# Allegro board Coral-Dev-Board-baseboard-layout-Allegro.brd (continued)
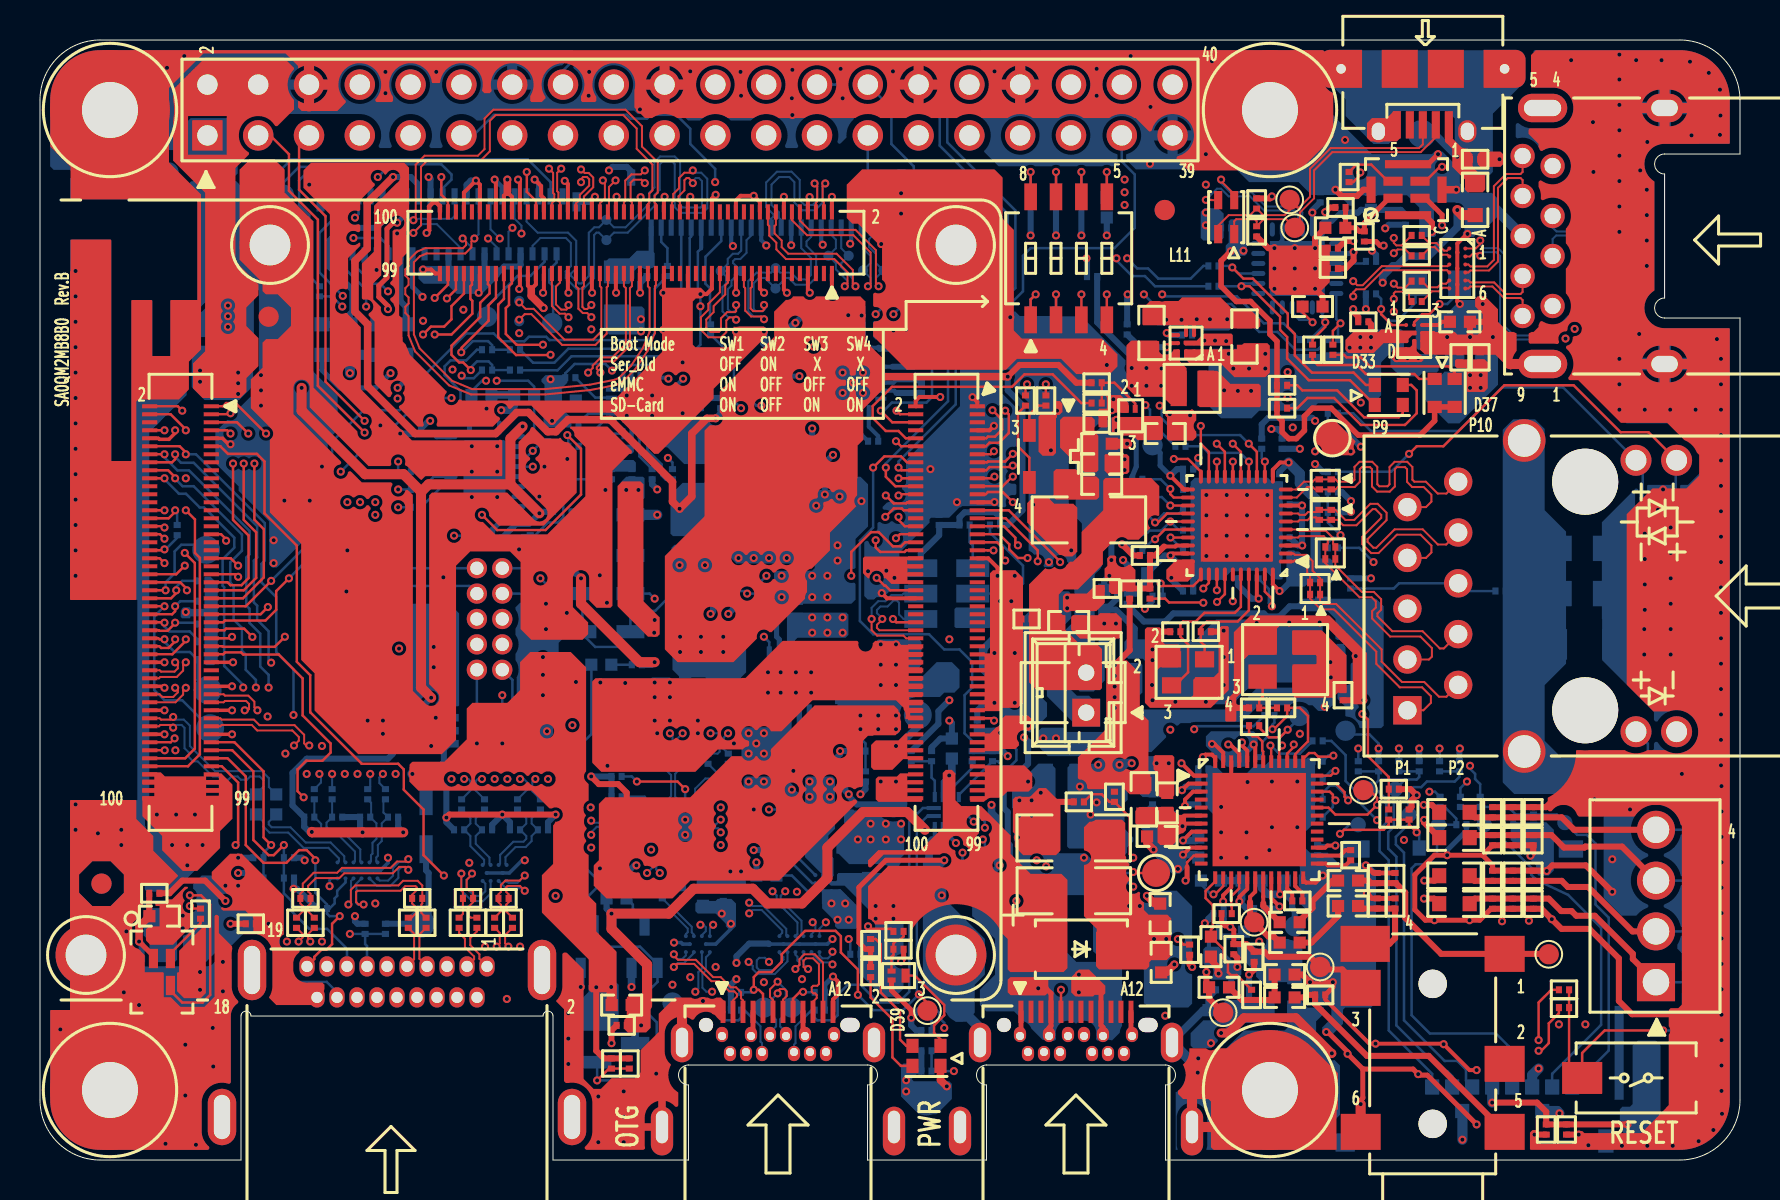
[diagram p0: board, top side]
## Nets (continued)
BB_3V3: C11.1 C16.1 C31.1 C44.1 C45.1 C59.2 C92.1 C97.1 C104.1 C132.2 D9.A D38.A F1.1 FB2.1 J15.1 J15.17 L2.1 OSC1.1 OSC1.4 Q21.2 R2.2 R3.2 R4.2 R5.2 R11.2 R21.2 R27.2 R30.2 R45.2 R46.2 R61.2 R62.2 R72.1 R90.2 R91.1 R100.1 R105.2 R106.2 R108.2 R112.2 R113.2 R116.1 R117.2 R119.2 R121.2 R126.1 R154.2 R155.2 R156.2 R157.2 R158.2 R161.2 R173.2 R201.2 R206.1 R207.2 TP34.1 U1.8 U2.2 U4.2 U9.12 U20.19 Y1.6
BOOST_5V: C21.1 C22.1 C90.1 TP28.1 U6.B1 U6.B2 U6.C1 U7.A1 U7.A2
BOOT_MODE0: J1312.64 R99.2 SW1.2
BOOT_MODE1: J1312.62 R89.2 SW1.1
CAM1_PWDN: P1.17 R136.2
CAM1_RESETB: P1.23 R137.2
CAM_I2C_SCL: P1.20 R129.2
CAM_I2C_SDA: P1.21 R132.2
CC1: ESD1.2 J1.A5 TP26.1 U9.1
CC2: ESD2.2 J1.B5 U9.2
CON_DET: R4.1 U9.5
CPN1: C14.1 U2.23
CPN2: C15.1 U2.26
CPP1: C14.2 U2.22
CPP2: C15.2 U2.25
CPVEE: C9.1 U2.27
CPVPP: C6.1 U2.20
DCDC_3V3: J1310.84 J1310.86 J1310.88 J1310.90 TP48.1
DCDC_5V: C25.1 C26.1 C33.1 C42.1 C43.1 C52.1 C53.2 C84.1 C95.1 C98.1 C99.1 C108.1 C139.1 F3.1 J1312.93 J1312.94 J1312.95 J1312.96 J1312.97 J1312.98 J1312.99 J1312.100 L4.1 L8.1 L9.1 R25.2 R122.2 R135.1 R148.2 R149.2 R198.2 R199.2 TP8.1 U2.43 U2.47 U7.A3 U12.3 U12.8 U14.A2 U14.A3 U14.B2
DCDC_5V_CN: ESD7.2 J5.18 R38.2 R39.2 R195.2 TP46.1
DCDC_5V_FT: C85.1 J15.2 J15.4 L8.2 TP1.1
DCVDD: C41.1 U2.3
DISP_LEDA: C109.1 D13.K P3.25 R134.2
DISP_LEDK1: P3.26 U15.11
DISP_LEDK2: P3.27 U15.10
DISPLAY_I2C_SCL: R130.2 U20.18
DISPLAY_I2C_SCL_1V8: P3.35 R168.1 U20.3
DISPLAY_I2C_SDA: R133.2 U20.20
DISPLAY_I2C_SDA_1V8: P3.36 R167.1 U20.1
DMIC_CLK: R93.2 R208.2 TP15.1 U3.3 U4.3
DMIC_DAT: R209.1 R210.1 TP3.1 U2.32
DSI_RESETB: P3.39 R196.2 U20.4
DSI_TE: P3.21 R197.2 U20.7
DSI_TS_NINT: P3.38 U20.5
DSI_VSP_EN: R36.1 R143.1 R190.1 U20.6
ECSPI1_MISO: J15.21 J1312.5
ECSPI1_MOSI: J15.19 J1312.7
ECSPI1_SCLK: J15.23 J1312.4
ECSPI1_SS0: J15.24 J1312.8
ECSPI1_SS1: J15.26 J1310.6
ECSPI2_MISO: J15.22 J1312.3
ECSPI2_SCLK: J15.18 J1312.2
ECSPI2_SS0: J15.36 J1312.1
ECSPI2_SS1: J1310.4 R171.2
EN_1P8: R17.1 R126.2 R127.1 U12.6
EN_3P3: R13.1 R122.1 R125.1 U12.1
ENET_AVDD10: C77.1 C78.1 C79.1 R65.2 U18.3 U18.8 U18.38
ENET_AVDD33: C65.1 C66.1 C133.1 FB1.2 U18.11 U18.40
ENET_DVDD10: C76.1 R53.2 TP47.1 U18.21
ENET_LDO_OUT: C73.1 R53.1 R65.1 U18.30
ENET_MDC: J1310.11 R63.1 R66.1
ENET_MDIO: J1310.9 R64.1 R67.1
ENET_NINT: J1312.39 R61.1 U18.31
ENET_NRST: J1312.43 R62.1 U18.12
ENET_RD0: J1310.33 R85.2 R140.2 U18.25
ENET_RD1: J1310.35 R86.2 R177.2 U18.24
ENET_RD2: J1310.31 R178.2 U18.23
ENET_RD3: J1310.37 R83.2 U18.22
ENET_RX_CTL: J1310.29 R81.2 U18.26
ENET_RXC: J1310.27 R82.2 U18.27
ENET_TD0: J1310.19 U18.18
ENET_TD1: J1310.21 U18.17
ENET_TD2: J1310.17 U18.16
ENET_TD3: J1310.15 U18.15
ENET_TX_CTL: J1310.13 U18.19
ENET_TXC: J1310.23 U18.20
ENET_XTLI: C81.1 U18.36 Y2.3
ENET_XTLO: C80.1 U18.37 Y2.1
ESD_SPOL_N: C19.2 C20.1 ESD20.2 FB8.2 J9.2 TP9.1
ESD_SPOL_P: C18.2 C30.1 ESD21.2 FB7.2 J9.1 TP10.1
ESD_SPOR_N: C123.2 C126.1 ESD19.2 FB9.2 J9.4 TP11.1
ESD_SPOR_P: C124.2 C125.1 ESD18.2 FB10.2 J9.3 TP14.1
ETH_TRX0_N: J11.P2 L5.1 L5.2 U18.2
ETH_TRX0_P: J11.P1 L5.3 L5.4 U18.1
ETH_TRX1_N: J11.P4 L6.1 L6.2 U18.5
ETH_TRX1_P: J11.P3 L6.3 L6.4 U18.4
ETH_TRX2_N: J11.P8 L7.1 L7.2 U18.7
ETH_TRX2_P: J11.P7 L7.3 L7.4 U18.6
ETH_TRX3_N: J11.P10 L1.1 L1.2 U18.10
ETH_TRX3_P: J11.P9 L1.3 L1.4 U18.9
FB_1P8: R124.2 R128.2 U12.7
FB_3P3: R121.1 R123.1 U12.2
FREQ: R166.2 U15.2
GPIO6: J15.13 J1312.49
GPIO7: J15.29 J1312.45
GPIO8: J15.31 J1312.47
GPIO12: J1312.51 R137.1
HDMI_AUX_C_N: C54.2 U10.C2
HDMI_AUX_C_P: C51.2 U10.C1
HDMI_AUX_N: C54.1 J1312.80
HDMI_AUX_P: C51.1 J1312.82
HDMI_CEC: ESD13.2 J5.13 J1312.91 R40.1
HDMI_CLK_C_N: C58.2 R44.2 U10.C6
HDMI_CLK_C_P: C57.2 R43.2 U10.C5
HDMI_CLK_CN_N: R189.1 R192.2 U10.A6
HDMI_CLK_CN_P: R188.1 R192.1 U10.A5
HDMI_CLK_N: C58.1 J1312.70
HDMI_CLK_P: C57.1 J1312.68
HDMI_DDC_SCL: ESD12.2 J5.15 J1312.87 R39.1
HDMI_DDC_SDA: ESD8.2 J5.16 J1312.85 R38.1
HDMI_HPD: J5.19 J1312.89 R47.2 U10.A2
HDMI_REFCLK_N: J1310.60 Y1.5
HDMI_REFCLK_P: J1310.58 Y1.4
HDMI_TX0_C_N: C56.2 R42.2 U10.C4
HDMI_TX0_C_P: C55.2 R41.2 U10.C3
HDMI_TX0_CN_N: R96.2 R187.1 U10.A4
HDMI_TX0_CN_P: R96.1 R186.1 U10.A3
HDMI_TX0_N: C56.1 J1312.73
HDMI_TX0_P: C55.1 J1312.75
HDMI_TX1_C_N: C63.2 R51.2 U11.C4
HDMI_TX1_C_P: C62.2 R50.2 U11.C3
HDMI_TX1_CN_N: R69.2 R185.1 U11.A4
HDMI_TX1_CN_P: R69.1 R184.1 U11.A3
HDMI_TX1_N: C63.1 J1312.81
HDMI_TX1_P: C62.1 J1312.79
HDMI_TX2_C_N: C61.2 R49.2 U11.C2
HDMI_TX2_C_P: C60.2 R48.2 U11.C1
HDMI_TX2_CN_N: R68.2 R183.1 U11.A2
HDMI_TX2_CN_P: R68.1 R182.1 U11.A1
HDMI_TX2_N: C61.1 J1312.74
HDMI_TX2_P: C60.1 J1312.76
HDMI_UTILITY/HEAC+_CN: J5.14 U10.A1
HP_MIC: C137.2 FB12.2 J4.5
HPO_L: R15.1 TP16.1 U2.18
HPO_R: R16.1 U2.19
HPOL: FB4.1 R15.2
HPOR: FB11.1 R16.2
I2C2_SCL: J15.5 J1311.87 R129.1 R130.1 R202.1
I2C2_SDA: J15.3 J1311.85 R132.1 R133.1 R203.1
I2C3_SCL: J15.28 J1311.83 U2.39 U9.8
I2C3_SDA: J15.27 J1311.81 U2.40 U9.7
ID0: P3.3 TP20.1
ID1: P3.2 TP5.1
IN1P_HP_MIC: C127.2 TP19.1 U2.11
IRQ: R20.1 U2.41
ISET: R165.2 U15.3
J_DETECT: ESD10.2 J4.3 R5.1 R18.2 R181.1 TP18.1
JTAG_NTRST: J1312.55 R111.2
JTAG_TCK: J12.4 J1312.53
JTAG_TDI: J12.8 J1312.61 R106.1
JTAG_TDO: J12.6 J1312.57
JTAG_TMS: J12.2 J1312.59 R105.1
LED0_CFG_EXT: R74.2 R75.2 R80.1 U18.32
LED1_CFG_LDO0: C150.2 J11.L3 R77.2 U18.33
LED2_CFG_LDO1: R76.1 R78.2 R79.2 U18.34
LED_PWM: P3.30 R150.1
LINK / ACTIVE: C149.2 J11.L4 R80.2
LINKACT: C148.2 J11.L2 R76.2
MCLK: R146.2 R147.2 U2.38
MDC: R66.2 U18.13
MDIO: R67.2 U18.14
MICBIAS1: C140.1 R23.2 U2.13
MICVDD: C27.1 C28.1 R174.2 U2.15
MIPI_CSI1_CLK_N: J1311.16 P1.5 TP63.1
MIPI_CSI1_CLK_P: J1311.18 P1.6 TP64.1
MIPI_CSI1_D0_N: J1311.10 P1.2 TP61.1
MIPI_CSI1_D0_P: J1311.12 P1.3 TP62.1
MIPI_CSI1_D1_N: J1311.21 P1.8 TP65.1
MIPI_CSI1_D1_P: J1311.23 P1.9 TP66.1
MIPI_CSI1_D2_N: J1311.4 P1.11
MIPI_CSI1_D2_P: J1311.6 P1.12
MIPI_CSI1_D3_N: J1311.27 P1.14 TP69.1
MIPI_CSI1_D3_P: J1311.29 P1.15 TP70.1
MIPI_DSI_CLK_N: J1311.57 P3.13 TP56.1
MIPI_DSI_CLK_P: J1311.59 P3.12 TP55.1
MIPI_DSI_D0_N: J1311.45 P3.16
MIPI_DSI_D0_P: J1311.47 P3.15
MIPI_DSI_D1_N: J1311.52 P3.10
MIPI_DSI_D1_P: J1311.54 P3.9
MIPI_DSI_D2_N: J1311.40 P3.7 TP52.1
MIPI_DSI_D2_P: J1311.42 P3.6 TP4.1
MIPI_DSI_D3_N: J1311.46 P3.19
MIPI_DSI_D3_P: J1311.48 P3.18
NAND_ALE: J1310.16 R11.1 U9.6
NAND_DATA02: J1310.12 R136.1
NAND_DATA03: J15.16 J1310.22
NAND_DATA06: J1310.20 R170.2
NAND_DATA07: J15.37 J1310.18
NETB2_2: B2.2 R180.1 R191.1 TP54.1
NETC5_1: C5.1 C141.1 R206.2 U3.1
NETC10_1: C10.1 C142.1 R207.1 U4.1
NETC12_1: C12.1 U2.8
NETC24_2: C24.2 U2.14
NETC29_1: C29.1 U1.11
NETC29_2: C29.2 U1.10
NETC69_1: C69.1 R131.1 U1.6
NETC70_1: C70.1 C71.1 R71.2 U18.29
NETC91_1: C91.1 U19.16
NETC92_2: C92.2 Q21.1 R117.1 R118.2
NETC94_1: C94.1 Q23.2 R120.2
NETC96_1: C96.1 U1.14
NETC96_2: C96.2 U1.13
NETC105_1: C105.1 U1.16
NETC105_2: C105.2 U1.17
NETC107_1: C107.1 U1.1
NETC107_2: C107.2 U1.2
NETC111_1: C111.1 F1.2 P1.24
NETC112_1: C112.1 R134.1 R142.2 U15.12
NETC127_1: C127.1 FB12.1 R23.1 R159.2
NETC128_2: C128.2 R135.2 U15.19
NETC129_1: C129.1 U15.18
NETC130_2: C130.2 R151.1
NETC134_2: C134.2 C147.2 J11.P6
NETC135_2: C135.2 ESD9.2 FB4.2 J4.4
NETC136_2: C136.2 ESD11.2 FB11.2 J4.1 TP17.1
NETC143_1: C143.1 C144.1 R198.1 U21.1
NETC145_1: C145.1 C146.2 C151.2 J6.2 R199.1 R200.2
NETC151_1: C151.1 J6.1 Q1.3 R204.2 TP57.1
NETD1_A: D1.A R21.1 U6.A1
NETD1_K: D1.K U6.A2
NETD9_C: D9.C R40.2 TP45.1
NETD13_A: D13.A L4.2 U15.15 U15.16
NETD33_1: D33.1 R88.1
NETD33_3: D33.3 R87.1
NETD37_2: D37.2 R103.1
NETD37_4: D37.4 R104.1
NETD38_C: D38.C R107.2
NETD39_1: D39.1 R112.1
NETD39_2: D39.2 Q19.3
NETD39_3: D39.3 R113.1
NETD40_C: D40.C J12.10 R107.1
NETD41_A: D41.A D42.A R119.1 R120.1
NETESD16_2: ESD16.2 FB5.1 J10.1 TP30.1
NETF3_2: F3.2 R195.1
NETFB1_1: FB1.1 R71.1 R141.1 R173.1
NETFB6_1: FB6.1 J10.5 J10.6 J10.7 J10.8 J10.11 TP33.1
NETJ5_1: J5.1 R182.2
NETJ5_3: J5.3 R183.2
NETJ5_4: J5.4 R184.2
NETJ5_6: J5.6 R185.2
NETJ5_7: J5.7 R186.2
NETJ5_9: J5.9 R187.2
NETJ5_10: J5.10 R188.2
NETJ5_12: J5.12 R189.2
NETJ12_1: J12.1 R108.1
NETJ12_7: J12.7 R109.1
NETJ12_9: J12.9 R110.1 R111.1
NETJ1310_10: J1310.10 R205.1
NETJ1312_30: J1312.30 R179.2
NETJ1312_48: J1312.48 TP80.1
NETJ1312_52: J1312.52 TP81.1
NETJ1312_86: J1312.86 R191.2
NETL9_2: L9.2 U7.B1 U7.B2
NETP3_4: P3.4 TP2.1
NETP3_33: P3.33 TP21.1
NETP3_37: P3.37 R190.2
NETQ1_1: Q1.1 R201.1 R205.2
NETQ3_3: Q3.3 R30.1 U13.A1
NETQ8_3: Q8.3 R48.1 R49.1 R50.1 R51.1
NETQ8_6: Q8.6 R41.1 R42.1 R43.1 R44.1
NETQ19_1: Q19.1 R114.1 R115.2
NETQ22_2: Q22.2 Q23.3 R118.1
NETQ22_3: Q22.3 R145.1
NETR2_1: R2.1 R22.2 U9.3
NETR7_2: R7.2 U5.1
NETR8_2: R8.2 U5.4
NETR9_2: R9.2 U5.13
NETR10_2: R10.2 U5.10
NETR18_1: R18.1 U2.16
NETR19_2: R19.2 U6.A3
NETR27_1: R27.1 U13.A2
NETR31_2: R31.2 U13.A3
NETR34_2: R34.2 R35.1 U1.19
NETR36_2: R36.2 U1.3
NETR37_2: R37.2 R131.2 U1.5
NETR45_1: R45.1 Y1.2
NETR46_1: R46.1 Y1.1
NETR70_2: R70.2 U18.39
NETR90_1: R90.1 SW1.8
NETR91_2: R91.2 SW1.6
NETR92_1: R92.1 U19.9
NETR98_1: R98.1 U7.C3
NETR100_2: R100.2 SW1.7
NETR143_2: R143.2 U15.1
NETR150_2: R150.2 U15.17
NETR151_2: R151.2 U15.20
NETR161_1: R161.1 U7.B3
NETR162_1: R162.1 U6.C2 U6.D1 U6.D2
NETR163_1: R163.1 SW1.5
NETR169_1: R169.1 U20.17
NETR170_1: R170.1 U20.16
NETR171_1: R171.1 U20.15
NETR172_1: R172.1 U20.14
NETR175_1: R175.1 U15.4
NETR200_1: R200.1 U21.5
NETR202_2: R202.2 U21.3
NETR203_2: R203.2 U21.4
NETR208_1: R208.1 U2.42
NETR209_2: R209.2 U4.4
NETR210_2: R210.2 U3.4
NETR211_1: R211.1 U20.10
NVCC_ENET_2V5: C110.1 J1310.83 J1310.85 J1310.87 R52.1
OSC_CLK: C64.1 OSC1.3 R146.1
POR_B: D40.A D42.C J1310.79
PWM1: J15.32 J1312.88
PWM2: J15.33 J1312.90
PWM3: J15.15 J1312.92
PWM4: J1312.11 R114.2
SAI1_RXD0: J15.38 J1312.33
SAI1_TXC: J15.12 J1312.40
SAI1_TXD0: J15.40 J1312.44
SAI1_TXD4: J1312.38 R179.1 SW1.3
SAI1_TXD5: J1312.34 SW1.4
SAI1_TXD6: J1312.28 R172.2
SAI1_TXD7: J1312.32 R169.2
SAI1_TXFS: J15.35 J1312.46
SAI2_MCLK: J1312.12 R147.1
SAI2_RXD: C3.1 J1312.20 U2.35
SAI2_TXC: C2.2 J1312.18 U2.37
SAI2_TXD: C1.2 J1312.14 U2.34
SAI2_TXFS: C4.1 J1312.16 U2.36
SAI5_MCLK: J1312.50 R154.1
SAI5_RXC: J1312.56 R156.1
SAI5_RXD0: J1312.58 R157.1
SAI5_RXD2: J1312.54 R155.1
SAI5_RXFS: J1312.60 R158.1 TP82.1
SBU1: ESD3.2 J1.A8
SBU2: ESD4.2 J1.B8 TP25.1
SD2_NCD: J1310.24 R54.2 R97.2
SD2_NCD_R: ESD23.2 J8.9 R97.1 TP73.1
SD2_NRST: D41.C J1310.36
SD_CD_DAT3: J1310.38 R160.1
SD_CD_DAT3_R: D2.K J8.2 R160.2 TP79.1
SD_CLK: J1310.48 R56.1
SD_CLK_R: D7.K J8.5 R56.2 TP75.1
SD_CMD: J1310.26 R55.1
SD_CMD_R: D10.K J8.3 R55.2 TP74.1
SD_DAT0: J1310.28 R57.1
SD_DAT0_R: D6.K J8.7 R57.2 TP76.1
SD_DAT1: J1310.32 R58.1
SD_DAT1_R: D4.K J8.8 R58.2 TP77.1
SD_DAT2: J1310.34 R59.1
SD_DAT2_R: D3.K J8.1 R59.2 TP78.1
SPDIF_RX: J1311.98 R20.2 R181.2
SPO_L_N: FB8.1 U2.48
SPO_L_P: FB7.1 U2.1
SPO_R_N: FB9.1 U2.44
SPO_R_P: FB10.1 U2.45
SSRX1_CM_N: U5.3 U17.C3
SSRX1_CM_P: U5.2 U17.C4
SSRX1_N: J1.B10 U17.A3
SSRX1_P: J1.B11 U17.A4
SSRX2_CM_N: U5.8 U16.C4
SSRX2_CM_P: U5.9 U16.C3
SSRX2_N: J1.A10 U16.A4
SSRX2_P: J1.A11 U16.A3
SSTX1_CM_C_N: C8.1 U5.7
SSTX1_CM_C_P: C7.1 U5.6
SSTX1_CM_N: C8.2 U17.C1
SSTX1_CM_P: C7.2 U17.C2
SSTX1_N: J1.A3 U17.A1
SSTX1_P: J1.A2 U17.A2
SSTX2_CM_C_N: C118.1 U5.11
SSTX2_CM_C_P: C117.1 U5.12
SSTX2_CM_N: C118.2 U16.C1
SSTX2_CM_P: C117.2 U16.C2
SSTX2_N: J1.B3 U16.A1
SSTX2_P: J1.B2 U16.A2
SW_1P8: L3.1 U12.5
SW_3P3: L2.2 U12.10
SYS_NRST: J1312.63 R180.2
UART1_RXD: J15.10 J1311.95 R101.1
UART1_RXD_MCU: R101.2 R103.2 U19.13
UART1_TXD: J15.8 J1311.93 R102.1
UART1_TXD_MCU: R102.2 R104.2 U19.12
UART2_RXD_CPU: D33.4 R94.2 U19.21
UART2_TXD_CPU: D33.2 R95.2 U19.20
UART3_RXD: J15.11 J1311.97 R94.1
UART3_TXD: J15.7 J1311.91 R95.1
USB1_D_N: J1311.53 U16.C5
USB1_D_P: J1311.51 U16.C6
USB1_ID: J1311.76 Q3.1 R3.1 U9.9
USB1_RX_DR_N: C13.2 U5.17
USB1_RX_DR_P: C119.2 U5.18
USB1_RX_N: C13.1 J1311.66
USB1_RX_P: C119.1 J1311.64
USB1_TX_DR_N: C116.2 U5.14
USB1_TX_DR_P: C115.2 U5.15
USB1_TX_N: C116.1 J1311.60
USB1_TX_P: C115.1 J1311.58
USB1_VBUS: J1311.82 J1311.84 R1.1
USB2_D_N: J1311.65 R28.1
USB2_D_P: J1311.63 R29.1
USB2_RX_N: J1311.72 U8.C3
USB2_RX_P: J1311.70 U8.C4
USB2_TX_N: C121.1 J1311.71
USB2_TX_P: C122.1 J1311.69
USB2_VBUS: J1311.75 J1311.77 R25.1
USB_D_N: J1.A7 J1.B7 TP23.1 U16.A5
USB_D_P: J1.A6 J1.B6 TP24.1 U16.A6
USB_DBG_D_CN_N: ESD15.2 J10.2 L11.1 TP31.1
USB_DBG_D_CN_P: ESD22.2 J10.3 L11.4 TP32.1
USB_DBG_D_N: L11.2 U19.4
USB_DBG_D_P: L11.3 U19.3
USB_HOST_D_CM_N: R28.2 U8.C1
USB_HOST_D_CM_P: R29.2 U8.C2
USB_HOST_D_N: J3.2 TP50.1 U8.A1
USB_HOST_D_P: J3.3 TP51.1 U8.A2
USB_HOST_RX_N: J3.5 U8.A3
USB_HOST_RX_P: J3.6 U8.A4
USB_HOST_TX_CM_N: C121.2 U8.C5
USB_HOST_TX_CM_P: C122.2 U8.C6
USB_HOST_TX_N: J3.8 U8.A5
USB_HOST_TX_P: J3.9 U8.A6
USB_TYPEC_SEL: R6.2 R144.1 U5.16 U9.11
USB_VBUS_1: C17.1 C101.1 C102.1 D5.A J1.A4 J1.A9 J1.B4 J1.B9 R1.2 R176.1 TP22.1 TP38.1 U9.4 U13.C2 U13.D1 U13.D2
USB_VBUS_2: C23.1 C120.1 ESD5.2 J3.1 R162.2 TP29.1
USB_VIN: C49.1 C50.1 D12.A J2.A4 J2.A9 J2.B4 J2.B9 R26.1 TP27.1 TP39.1 TP40.1 U13.B1 U13.B2 U13.C1
VON_N5P5: C106.1 R37.1 R152.1 U1.4
VON_N5P5_CONN: P3.29 R148.1 R152.2
VOP_5P5: C67.1 C103.1 R34.1 R153.1 U1.18
VOP_5P5_CONN: P3.28 R149.1 R153.2
VSD_3V3: C74.1 C75.1 C93.1 C138.1 ESD14.2 J8.4 Q21.3 R116.2 R145.2 TP71.1
VSYS: C46.1 C47.1 C48.1 D5.C D12.C R26.2 R176.2 TP7.1 U14.B3 U14.C2 U14.C3
VUSB_REG_3V45: C88.1 C89.1 R73.1 U19.6

Pads without a net: J2 A2 A3 A6 A7 A8 A10 A11 B2 B3 B6 B7 B8 B10 B11; J4 2; J8 13 14 15 16 17; J10 4 9 10; J11 P5; J1310 3 5 8 14 30 41 43 45 47 49 51 52 53 54 55 57 59 61 81 82 89 92; J1311 3 5 9 11 15 17 22 24 28 30 33 34 35 36 39 41 78 88 92 96; J1312 6 13 15 17 19 21 22 23 24 25 26 27 29 31 35 36 37 41 42 67 69; NOREF 1; NOREF#2 1; NOREF#3 1; NOREF#4 1; NOREF#5 1; NOREF#6 1; P1 18 22; P3 1 22 24; R14 1; U1 9 15; U2 4 5 9 12 28 29 30 31 33; U15 6 7 8 9; U18 35; U19 1 10 11 14 15 17 18 19 22 23 24; U20 8 9 12 13

## Via types
v1: diameter 0.406, hole 0.203, TOP to BOTTOM, 1187 vias

## Routing (per net, layer and track width the routed paths; a pad name or vN(x,y) marks a point on that pad's centre or on a via; arc(x,y) is an arc through that point)
AGND: length 40.3
  TOP w0.203: C137.1 64.26,8.03 66.47,5.82 v1(66.78,5.82) 70.16,5.82 v1(70.18,5.79) 71.48,4.5 v1(71.83,4.5) ; v1(64.14,14.22) 63.78,13.87 63.3,13.87 63.16,14.01 U2.24 ; v1(57.15,15.27) 57.5,15.62 U2.10 ; U2.17 60.36,13.55 59.97,13.16 v1(59.97,12.93)
  TOP w0.254: v1(63.5,8.89) 63.58,8.81 64.24,8.81 64.31,8.89 v1(64.64,8.89) 64.64,8.64 C137.1 ; v1(66.29,14.73) 66.68,14.35 ESD11.1 C136.1 ; v1(66.03,2.79) 66.03,2.99 66.14,3.1 66.14,4.52 66.17,4.55 ; 66.17,4.55 66.14,4.55 v1(65.38,5.31) 65.38,5.41 64.39,6.4 v1(64.31,6.4) ; 66.17,4.55 68.66,4.55 v1(68.91,4.29) 68.96,4.24 69.37,4.24 v1(71.83,1.78) ; C135.1 ESD9.1 66.6,13.08 v1(66.34,13.34)
  TOP w0.305: v1(58.93,9.32) 58.88,9.37 58.88,9.66 58.55,9.99 C140.2 ; ESD10.1 59.87,10.11 v1(59.87,9.65) ; v1(63.5,8.89) 63.12,9.27 R159.1
  TOP w0.381: C36.2 55.35,15.84 v1(55.68,15.52)
  TOP w0.508: J4.6 v1(66.03,2.79)
  BOTTOM w0.203: C28.2 58.45,10.36
  BOTTOM w0.305: v1(58.24,11.84) 58.42,12.01 58.42,12.06 C27.2 ; 59.56,9.14 59.56,8.76 R138.2 ; C6.2 60.33,12.57 v1(59.97,12.93)
  BOTTOM w0.381: v1(57.15,15.27) 57.77,15.27 C12.2 ; C24.1 C38.2 60.08,13.04 v1(59.97,12.93)
  vias: v1(56.9,14.55) v1(60.96,10.92)
DVDD_RG: length 13.5
  TOP w0.203: 56.2,30.67 56.77,30.67 56.82,30.72 U18.28
  TOP w0.305: 56.2,30.67 55.75,30.23 55.5,30.23 R63.2 R60.1
  BOTTOM w0.254: R64.2 54.81,36.78 54.81,34.67 54.61,34.18 R83.1
  BOTTOM w0.305: R83.1 R178.1 R177.1 R140.1 53.95,31.37 53.57,30.99 v1(53.57,30) ; C72.1 53.21,28.96 v1(53.47,29.21)
GND: length 1066.5
  TOP w0.127: v1(42.65,27.05) 42.81,26.89 J1310.56
  TOP w0.178: J1312.65 v1(9.65,24.89) ; J1312.9 9.13,36.09 9.42,35.79 v1(9.53,35.79) ; J1312.72 6.15,23.69 v1(6.22,23.61) ; v1(6.22,24.89) 6.22,24.89 J1312.66 ; J1312.83 v1(9.6,21.29) ; v1(6.22,22.49) 6.22,22.49 J1312.78 ; J1312.77 v1(9.6,22.49) ; J1312.84 v1(6.22,21.29) ; v1(6.76,36.49) 6.76,36.35 6.44,36.03 5.97,36.03 5.92,36.09 J1312.10 ; J1312.71 v1(9.6,23.69)
  TOP w0.203: v1(70.99,42.8) 70.87,42.93 U8.B3 U8.B2 U8.B1 70.87,45.82 71.35,46.3 v1(71.37,46.3) ; v1(23.9,49.02) 24,48.93 J1311.80 ; 57.3,41.99 U7.C2 ; v1(47.72,32.9) 47.71,32.89 J1310.25 ; v1(33.02,43.29) 33.33,43.29 33.6,43.56 J1311.31 ; U2.46 59.56,18.42 ; J1311.55 28.8,44.3 28.79,43.37 v1(28.8,43.36) ; v1(32.51,48.16) 32.4,48.04 J1311.38 ; v1(46.63,38.14) 46.86,37.9 J1310.1 ; J1311.1 39.6,43.4 v1(39.63,43.36) ; J1311.61 27.6,44.3 27.59,44.3 27.59,43.37 v1(27.6,43.36) ; J1311.94 21.2,48.37 v1(21.79,48.97) 22,48.77 J1311.90 ; v1(31.17,43.36) 31.2,43.39 J1311.43 ; J1311.25 34.8,43.37 v1(34.81,43.36) ; v1(30,43.36) 29.99,43.37 29.99,44.3 J1311.49 ; J1311.56 28.8,48.13 v1(28.83,48.16) ; J1310.7 47.47,36.49 v1(47.7,36.71) ; J1311.50 30,48.11 v1(30.03,48.14) ; J1311.67 26.4,43.39 v1(26.42,43.36) ; J1311.8 38.4,48.06 v1(38.48,48.15) ; v1(45.01,38.15) 43.97,38.15 43.78,37.97 J1310.2 ; J1310.50 42.35,28.09 v1(42.09,28.35) ; J1311.44 31.2,48.13 v1(31.23,48.16) ; v1(21.93,43.36) 21.94,43.36 22,43.41 J1311.89 ; v1(47.88,29.21) 47.88,29.62 47.41,30.09 J1310.39 ; J1311.26 34.8,47.98 35.03,48.21 v1(35.69,48.21) 36,47.9 J1311.20 ; v1(19.15,44.53) 19.56,44.53 19.76,44.33 J1311.99 ; J1.A12 39.65,8.03 39.88,8.26 39.88,8.94 v1(39.65,9.17) ; J1311.14 v1(37.2,48.16) ; v1(39.6,48.15) J1311.2 ; J1311.79 24,43.59 v1(23.96,43.55) ; J1311.37 32.4,43.49 ; v1(37.35,43.36) 37.2,43.51 J1311.13 ; v1(24.73,49.02) 25.06,48.7 25.06,48.22 25.2,48.08 J1311.74 ; J1311.68 26.4,48.8 v1(26.24,48.96) ; J1311.7 38.4,43.45 v1(38.49,43.36) ; 57.7,41.97 U7.C1 ; J1311.32 33.6,48.07 v1(33.78,48.26) ; J1311.62 27.6,48.01 v1(27.75,48.16) ; J1311.86 22.8,48.96 v1(22.73,49.02) ; J1311.73 25.2,43.4 v1(25.15,43.36) ; J1311.19 36,43.57 v1(36.2,43.36)
  TOP w0.229: J1311.100 20,47.7 19.81,47.88 19.65,47.88 19.46,47.68 19.46,46.48 v1(19.33,46.35)
  TOP w0.254: U4.8 69.4,49.79 v1(69.9,50.29) ; 72.13,15.24 72.63,14.74 C20.2 ; 72.13,15.24 v1(70.36,15.24) 69.72,15.24 68.74,14.26 68.74,12.51 69.27,11.99 v1(69.72,11.99) v1(71.48,11.99) 71.98,11.99 72.56,12.56 C18.1 ; 72.13,15.24 C125.2 ; J2.B1 54.55,6.25 J2.A12 ; R115.1 43.18,10.06 v1(43.05,9.93) ; v1(53.67,38.04) 53.91,38.04 54.31,37.64 Q1.2 54.24,37.49 v1(53.59,37.49) ; Q19.2 42.58,8.48 43.56,7.49 v1(43.56,7.11) ; v1(67.18,45.72) 67.01,45.72 66.8,45.92 C10.2 ; 33.69,7.41 J1.A1 ; J2.A1 49.05,6.25 J2.B12
  TOP w0.305: U4.5 66.17,48.51 65.85,48.2 65.09,48.2 v1(64.77,48.51) ; C125.2 ESD18.1 C124.1 74.66,15.35 v1(74.52,15.21) ; v1(78.61,13.41) 77.29,14.73 75.62,14.73 75.35,14.47 ; v1(50.85,37.47) 50.42,37.03 U21.2 50.42,35.61 v1(50.55,35.48) ; ESD22.1 61.5,48.08 v1(61.6,48.18) ; v1(69.6,46.41) 69.6,46.86 69.22,47.24 U4.6 ; 64.34,45.59 v1(63.75,45.59) 63.75,46.09 C142.2 ; C68.2 54.66,30.23 v1(54.1,30.78) ; 75.35,14.47 v1(75.34,14.45) ; 75.35,14.47 C19.1 ESD20.1 C20.2 ; C22.2 65.91,42.16 65.66,42.42 v1(65.66,42.55) ; C45.2 v1(66.17,22.99) ; v1(61.72,45.59) 61.42,45.59 ESD15.1 ; v1(59.18,26.47) 59.18,26.44 59.16,26.42 C80.2 ; C75.2 v1(74.73,1.27) ; R12.2 50.55,17.91 ; ESD23.1 68.58,17.65 68.58,17.98 v1(68.83,18.24) 68.53,18.54 67.95,18.54 ; v1(53.04,37.34) 53.09,37.29 C143.2 ; C64.2 59.82,22.61 v1(59.51,22.91) ; v1(63.75,43.56) 64.13,43.19 C91.2 ; ESD14.1 v1(76.94,1.27) ; 64.34,44.58 v1(63.75,44.58) ; C18.1 ESD21.1 C30.2 75.07,12.56 v1(75.59,12.04) 76.07,11.56 77.47,11.56 78.94,10.08 78.94,7.95 79.6,7.29 82.09,7.29 82.45,7.65 82.45,17.27 81.81,17.91 79.88,17.91 v1(79.5,17.53) 77.09,17.53 76.71,17.91 75.57,17.91 75.3,17.64 C123.1 ESD19.1 C126.2 ; v1(28.58,5.84) 28.58,6.48 C93.2 ; C81.2 55.75,26.42 ; 72.39,41.91 R19.1 71.49,41.16 v1(71.5,41.15) ; ESD7.1 v1(9.53,11.81)
  TOP w0.381: U4.7 v1(70.82,48.51) ; v1(45.34,3.68) 45.02,4 D39.4 ; v1(55.35,13.21) 55.74,12.82 C46.2 ; 29.97,1.65 29.97,1.65 J1.SH3 31.1,3.2 ; v1(56.72,9.78) 56.32,9.38 C47.2
  TOP w0.508: J15.30 45.02,53.77 ; J15.30 42.84,53.77 ; J15.30 43.93,52.68 ; J15.30 43.93,54.86 ; 79.95,52.6 J3.13 ; J3.13 81.23,51.56 ; J3.13 81.23,53.64 ; J3.13 82.51,52.6 ; 79.95,39.8 J3.12 ; J3.12 81.23,40.84 ; J3.12 82.51,39.8 ; J3.12 81.23,38.76 ; J15.20 32.32,53.77 ; J15.20 30.14,53.77 ; J15.20 31.23,52.68 ; J15.20 31.23,54.86 ; 73.47,39.8 J3.10 ; J15.6 13.45,54.86 ; J15.6 14.54,53.77 ; J15.6 13.45,52.68 ; v1(49.66,32.77) 50.42,32 C145.2 50.8,31.24 v1(51.56,30.48) ; J15.34 49.01,54.86 ; J15.34 47.92,53.77 ; J15.34 50.1,53.77 ; J15.34 49.01,52.68 ; J1.SH1 32.1,7.4 ; 57.6,3.14 J2.SH4 59.65,1.65 SH1.1 ; v1(54.36,35.81) C144.2
  L02_GND1 w0.381: 34.54,7.24 34.54,6.64 J1.B12 ; 39.24,7.24 39.24,6.66 J1.B1 ; J2.B1 54.1,6.7 54.1,7.11
  L02_GND1 w0.508: J15.39 57.72,51.23 ; J15.39 55.54,51.23 ; J15.39 56.63,52.32 ; J15.39 56.63,50.14 ; 42.59,5.88 J1.SH2 41.7,7.2 ; 11.5,43.9 SSH4.1 ; SSH4.1 9.65,45.75 ; SSH4.1 13.35,45.75 ; SSH4.1 11.5,47.6 ; 18.53,50.14 J15.9 ; J15.9 17.44,51.23 ; J15.9 18.53,52.32 ; J15.9 19.62,51.23 ; 26.6,3.89 J5.23 28.13,2.15 ; J3.4 75.63,50.64 ; J3.4 75.63,48.76 ; J3.4 76.57,49.7 ; 47.92,53.77 J15.34 ; J15.34 49.01,52.68 ; J15.34 50.1,53.77 ; J15.34 49.01,54.86 ; J3.13 82.51,52.6 ; J3.13 81.23,53.64 ; J3.13 81.23,51.56 ; J3.13 79.95,52.6 ; 58.17,52.5 SH3.1 ; SH3.1 64.83,52.5 ; SH3.1 61.5,49.17 ; 43.93,52.68 J15.30 ; J15.30 45.02,53.77 ; J15.30 42.84,53.77 ; J15.30 43.93,54.86 ; J15.14 23.61,54.86 ; J15.14 23.61,52.68 ; J15.14 24.7,53.77 ; J15.14 22.52,53.77 ; 81.83,20.31 J11.L1 ; J11.L1 81.83,22.52 ; J11.L1 82.93,21.41 ; 31.23,52.68 J15.20 ; J15.20 32.32,53.77 ; J15.20 30.14,53.77 ; J15.20 31.23,54.86 ; 45.8,8.4 SSH1.1 ; SSH1.1 43.95,10.25 ; SSH1.1 47.65,10.25 ; SSH1.1 45.8,12.1 ; 53.96,6.2 J2.B1 ; 22.56,8.13 J5.2 21.85,8.84 ; 61.5,6.83 SH1.1 58.17,3.5 ; 21.01,27.05 J12.5 ; SSH3.1 47.65,45.75 ; SSH3.1 45.8,43.9 ; SSH3.1 45.8,47.6 ; SSH3.1 43.95,45.75 ; SSH2.1 4.15,10.25 ; SSH2.1 2.3,12.1 ; SSH2.1 2.3,8.4 ; 14.35,8.97 J5.17 14.35,10.39 ; 37.76,51.23 J15.25 ; J15.25 38.85,52.32 ; J15.25 38.85,50.14 ; J15.25 39.94,51.23 ; J3.10 75.13,40.84 ; J3.10 75.13,38.76 ; J3.10 73.57,39.8 ; J3.10 76.69,39.8 ; 6.83,3.5 SH2.1 3.5,6.83 ; 9.1,3.89 J5.22 8.06,2.15 ; J3.12 81.23,40.84 ; J3.12 81.23,38.76 ; J3.12 82.51,39.8 ; J3.12 79.95,39.8 ; J3.11 76.69,52.6 ; J3.11 75.13,53.64 ; J3.11 73.57,52.6 ; J3.11 75.13,51.56 ; 39.07,6.2 J1.B1 ; 45.75,5.87 J2.SH1 47,7.2 ; J5.8 18.85,8.84 ; 6.83,52.5 SH4.1 3.5,49.17 ; 73.19,46.2 J3.7 75.07,46.2 ; 13.45,52.68 J15.6 ; J15.6 12.36,53.77 ; J15.6 14.54,53.77 ; J15.6 13.45,54.86 ; J5.20 10.6,11.34 ; J5.20 9.56,9.5 ; J5.20 11.64,9.5 ; 21.01,25.78 J12.3 ; J1.B12 34.74,6.2 ; 17.35,10.39 J5.11 17.35,8.97 ; 20.35,8.97 J5.5 20.35,10.39 ; J2.SH2 56.6,7.45 ; J5.21 26.14,9.5 ; J5.21 25.1,11.34 ; J5.21 24.06,9.5 ; 32.1,7.2 J1.SH1 30.92,5.88 ; J2.B12 49.63,6.2 ; J2.SH4 57.6,3.57
  L03_SIG1 w0.102: v1(48.74,25.35) 49.17,25.78 49.78,25.78 50.14,25.43 53.93,25.43 54.11,25.24 54.11,22.52 55.12,21.51 v1(56.52,21.51)
  L03_SIG1 w0.381: v1(56.26,7.21) 56.6,6.88 J2.SH2
  L03_SIG1 w0.508: 73.34,46.99 J3.7 ; v1(57.91,5.08) 57.39,5.08 J2.SH2 ; 47.92,53.77 J15.34 ; J15.34 49.01,54.86 ; J15.34 49.01,52.68 ; J15.34 50.1,53.77 ; 38.85,50.14 J15.25 ; J15.25 38.85,52.32 ; J15.25 37.76,51.23 ; J15.25 39.94,51.23 ; 61.5,49.17 SH3.1 ; SH3.1 58.17,52.5 ; SH3.1 64.83,52.5 ; J3.13 82.51,52.6 ; J3.13 81.23,53.64 ; J3.13 79.95,52.6 ; J3.13 81.23,51.56 ; J3.4 76.57,49.7 ; J3.4 75.63,48.76 ; J3.4 75.63,50.64 ; J3.12 81.23,40.84 ; J3.12 82.51,39.8 ; J3.12 81.23,38.76 ; J3.12 79.95,39.8 ; 31.09,3.35 31.1,3.34 J1.SH3 29.67,1.65 29.67,1.65 ; J15.39 56.63,52.32 ; J15.39 57.72,51.23 ; J15.39 55.54,51.23 ; J15.39 56.63,50.14 ; SSH3.1 47.65,45.75 ; SSH3.1 43.95,45.75 ; SSH3.1 45.8,47.6 ; 57.58,3.51 57.6,3.49 J2.SH4 ; 32.11,7.52 32.1,7.51 J1.SH1 30.74,5.88 ; J11.L1 82.93,21.41 ; J11.L1 81.83,22.52 ; J11.L1 81.83,20.31 ; 75.13,51.56 J3.11 ; J3.11 76.69,52.6 ; J3.11 75.13,53.64 ; J3.11 73.57,52.6 ; J15.30 43.93,54.86 ; J15.30 45.02,53.77 ; J15.30 43.93,52.68 ; J15.30 42.84,53.77 ; 32.32,53.77 J15.20 31.23,54.86 ; 21.01,25.78 J12.3 ; 21.01,27.05 J12.5
  L05_PWR1 w0.381: 39.24,7.11 39.24,6.66 J1.B1 ; 54.23,7.11 54.23,6.57 J2.B1 ; 34.54,7.24 34.54,6.64 J1.B12 ; J2.B12 49.48,6.68 49.48,7.11
  L05_PWR1 w0.508: J2.SH4 57.6,3.88 ; J5.8 18.85,8.96 ; 56.6,7.58 J2.SH2 57.63,5.87 57.63,5.37 v1(57.91,5.08) ; J3.7 73.21,47.12
  L05_PWR1 w0.61: SSH1.1 47.58,10.25 ; SSH1.1 44.02,10.25 ; SSH1.1 45.8,8.47 ; 75.13,51.63 J3.11 ; J3.11 73.64,52.6 ; J3.11 75.13,53.57 ; J3.11 76.62,52.6 ; 9.1,3.81 J5.22 8.13,2.15 ; 20.35,9.04 J5.5 20.35,10.32 ; J3.13 82.44,52.6 ; J3.13 81.23,53.57 ; J3.13 80.02,52.6 ; J3.13 81.23,51.63 ; 17.35,10.32 J5.11 17.35,9.04 ; 14.35,9.04 J5.17 14.35,10.32 ; 43.51,1.65 J1.SH4 42.7,3.05 ; 27.57,2.15 J5.23 26.6,3.81 ; 11.5,43.97 SSH4.1 ; SSH4.1 13.28,45.75 ; SSH4.1 9.72,45.75 ; SSH4.1 11.5,47.53 ; J5.21 25.1,11.27 ; J5.21 26.07,9.5 ; J5.21 24.13,9.5 ; J15.34 49.01,54.79 ; J15.34 47.99,53.77 ; J15.34 50.03,53.77 ; 21.85,8.77 J5.2 22.49,8.13 ; SH3.1 64.75,52.5 ; SH3.1 61.5,49.25 ; SH3.1 58.25,52.5 ; J15.30 44.95,53.77 ; J15.30 43.93,54.79 ; J15.30 42.91,53.77 ; 9.63,9.5 J5.20 ; J5.20 11.57,9.5 ; J5.20 10.6,11.27 ; J15.39 57.65,51.23 ; J15.39 55.61,51.23 ; J15.39 56.63,52.25 ; J15.39 56.63,50.21 ; 12.43,53.77 J15.6 ; J15.6 14.47,53.77 ; J15.6 13.45,54.79 ; J3.12 81.23,40.77 ; J3.12 81.23,38.83 ; J3.12 82.44,39.8 ; J3.12 80.02,39.8 ; SH1.1 64.75,3.5 ; SH1.1 61.5,6.75 ; SH1.1 58.25,3.5 ; 31.29,5.88 J1.SH1 32.1,7.12 ; 81.83,20.39 J11.L1 ; J11.L1 82.86,21.41 ; J11.L1 81.83,22.44 ; J15.20 31.23,54.79 ; J15.20 32.25,53.77 ; J15.20 30.21,53.77 ; 46.19,5.87 J2.SH1 47,7.12 ; 45.19,1.65 J2.SH3 46,3.05 ; J3.10 76.62,39.8 ; J3.10 73.64,39.8 ; J3.10 75.13,40.77 ; J3.10 75.13,38.83 ; 2.3,8.47 SSH2.1 ; SSH2.1 4.08,10.25 ; SSH2.1 2.3,12.03 ; 75.63,48.84 J3.4 ; J3.4 75.63,50.56 ; J3.4 76.49,49.7 ; J15.14 23.61,54.79 ; J15.14 22.59,53.77 ; J15.14 24.63,53.77 ; 30.29,1.65 J1.SH3 31.1,3.05 ; J3.7 74.99,46.2 ; J3.7 74.13,47.06 ; J3.7 74.13,45.34 ; 42.51,5.88 J1.SH2 41.7,7.12 ; 3.5,6.75 SH2.1 6.75,3.5